# Altium PCB PCB.PcbDoc (part 1 of 2) (continued)
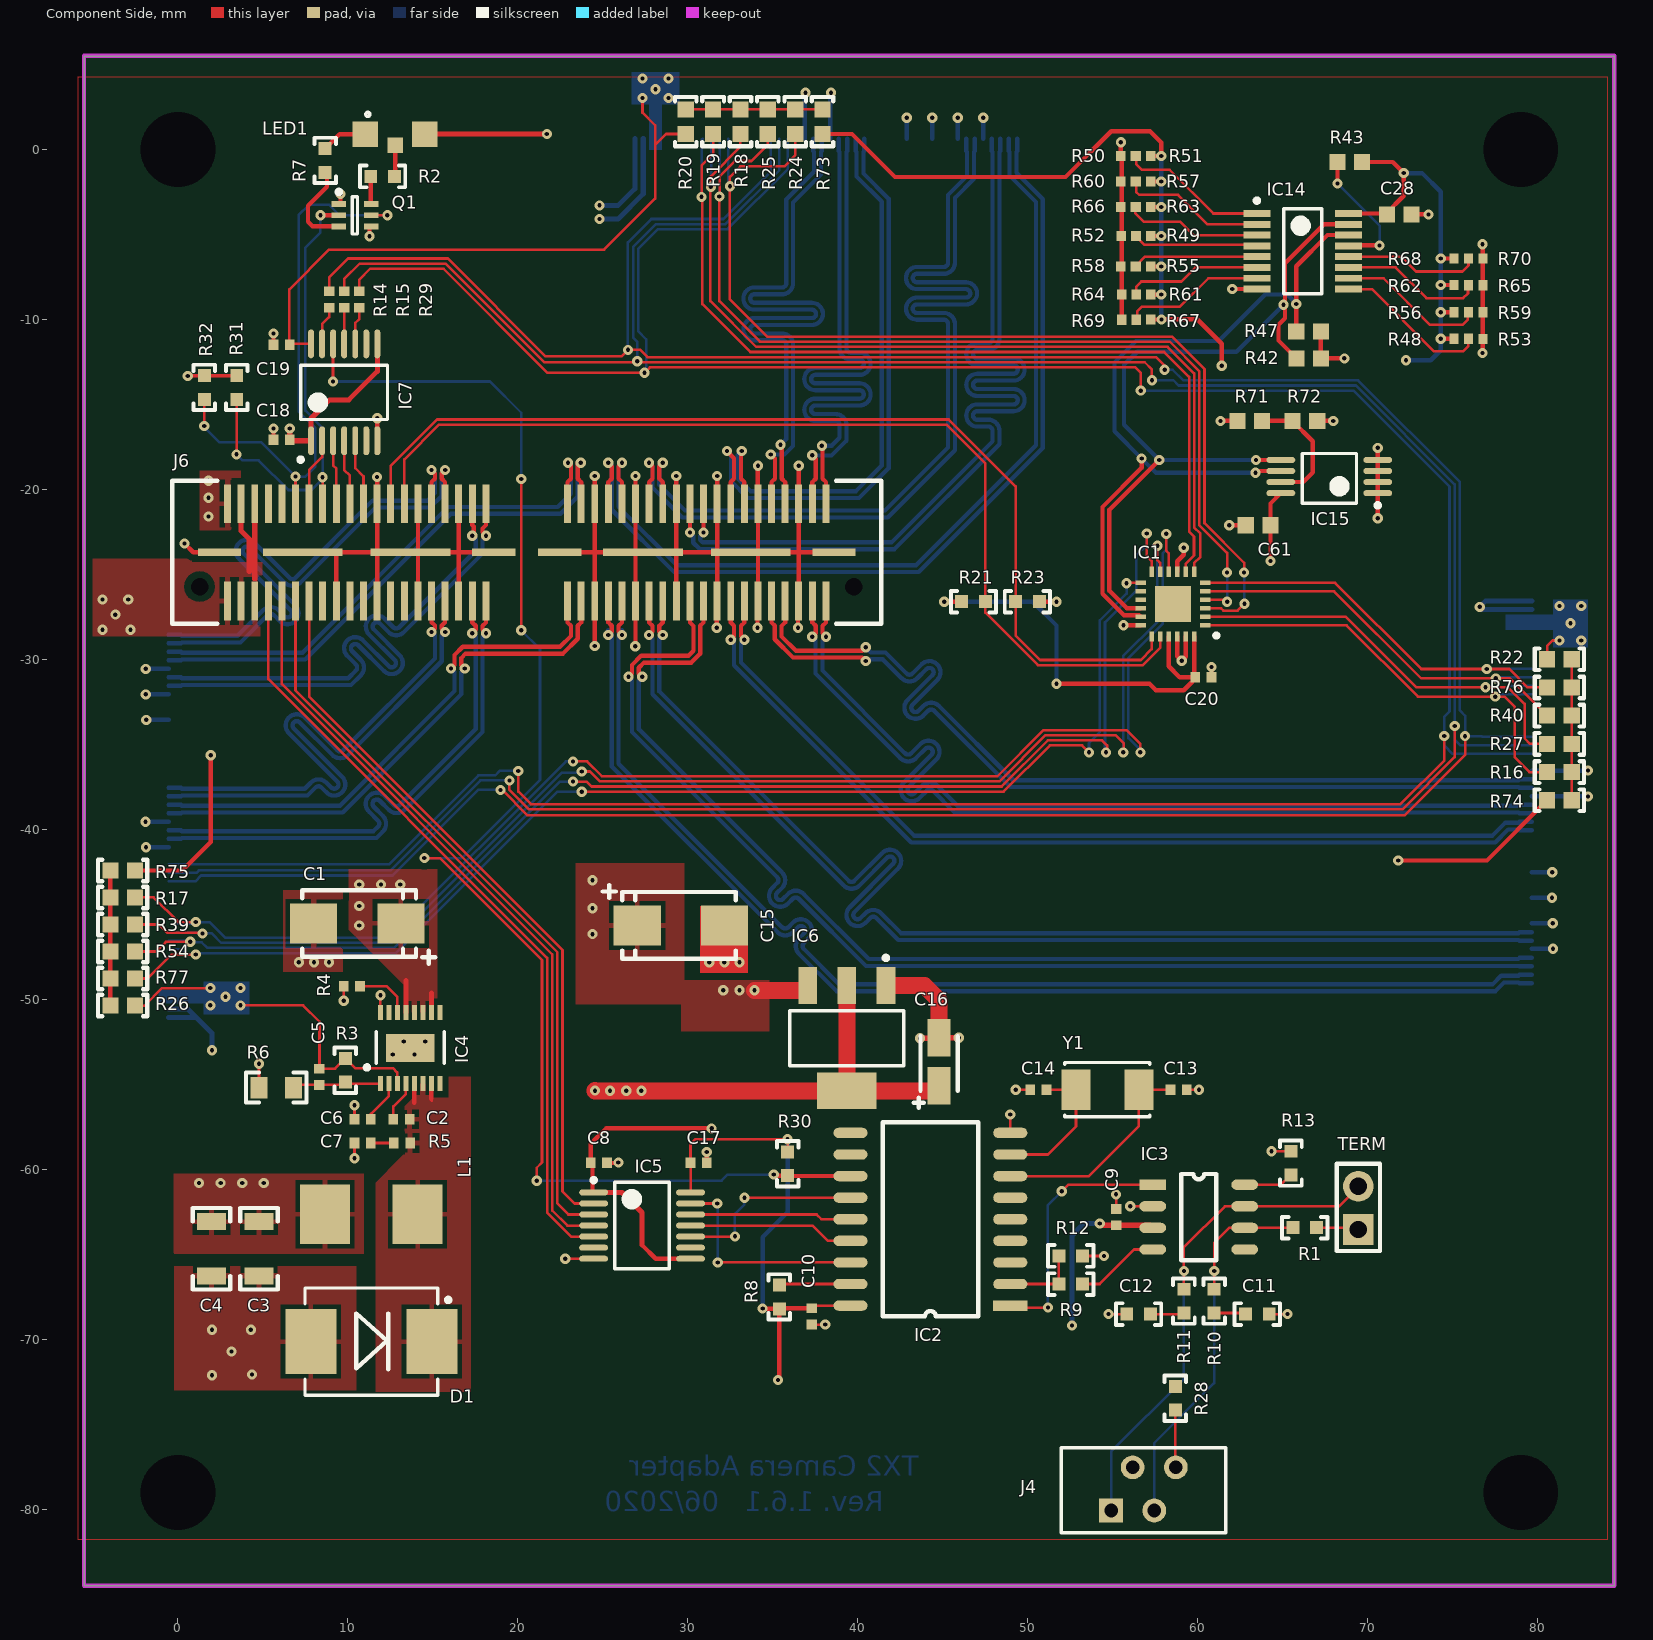
[diagram p0: Component Side view]
## Nets (pads, with @x,y where several pads share a name; then routed paths per layer and width w, separated by ;. In a path a pad name is that pad's centre, name@x,y a point inside that pad or via, vN(x,y) a via of type N, cw(c..) or ccw(c..) an arc to the next point about the centre after c; other vN are vias at no path point) (continued)
  Solder Side w0.152: J1.39@32.375,0.643 32.375,-2.061 v1(32.471,-2.157) ; v1@62.721,-24.907 62.738,-24.924 v1(62.738,-26.724)
CAM2_PWDN_1V8: IC7.2 J6.68 | length 4
  Component Side w0.152: J6.68@7.716,-20.826 7.716,-18.856 8.479,-18.093 IC7.2@8.479,-17.128
CAM2_PWDN_3V3: J1.34 J2.34 J3.34 R14.2 | length 192.8
  Component Side w0.152: R14.2@8.89,-8.337 8.89,-7.522 10.005,-6.407 15.873,-6.407 21.626,-12.16 26.093,-12.16 v1(26.471,-11.782) 27.197,-11.782 27.624,-12.209 57.548,-12.209 58.046,-12.707 v1(58.046,-12.957) ; v1(18.974,-37.671) 18.979,-37.671 19.005,-37.697 19.053,-37.649 20.574,-39.17 72.161,-39.17 75.721,-35.611 v1(75.721,-34.507)
  Solder Side w0.152: J3.34@-0.55,-43.049 1.023,-43.049 1.364,-42.708 12.623,-42.708 17.66,-37.671 v1(18.974,-37.671) ; v1(26.471,-11.782) 26.471,-5.457 27.846,-4.082 32.082,-4.082 34.875,-1.289 J1.34@34.875,0.643 ; v1(58.046,-12.957) 58.523,-12.957 59.144,-13.578 69.419,-13.578 75.41,-19.569 75.41,-32.996 75.721,-33.307 v1(75.721,-34.507) 76.693,-34.507 76.735,-34.549 J2.34@79.643,-34.549
CAM2_SCL: IC1.6 J2.42 R76.1 | length 25.3
  Component Side w0.152: IC1.6@60.436,-25.488 68.081,-25.488 73.15,-30.557 v1(76.996,-30.557) 78.321,-30.557 79.406,-31.642 R76.1@80.546,-31.642
  Solder Side w0.152: v1(76.996,-30.557) 77.004,-30.549 J2.42@79.643,-30.549
CAM2_SDA: IC1.5 J2.41 R40.1 | length 25.4
  Component Side w0.152: IC1.5@60.436,-25.988 68.022,-25.988 73.141,-31.107 v1(77.524,-31.107) 78.351,-31.107 R40.1@80.546,-33.302
  Solder Side w0.152: v1(77.524,-31.107) 77.479,-31.062 77.479,-31.049 J2.41@79.643,-31.049
CAM3_SCL: IC1.8 J1.42 R19.1 | length 56
  Component Side w0.152: v1(30.797,-2.781) v1@30.845,-2.781 ; R19.1@31.481,0.918 31.481,-0.257 30.824,-0.914 30.824,-2.76 v1@30.845,-2.781 ; IC1.8@59.286,-24.838 59.286,-24.367 59.771,-23.882 59.771,-22.762 59.484,-22.475 59.484,-13.371 58.021,-11.907 33.669,-11.907 30.85,-9.089 30.85,-2.786 v1@30.845,-2.781
  Solder Side w0.152: v1(30.797,-2.781) 30.824,-2.754 30.824,0.592 J1.42@30.875,0.643
CAM3_SDA: IC1.7 J1.41 R18.1 | length 55.6
  Component Side w0.152: R18.1@33.091,0.918 33.091,0.168 31.35,-1.573 v1(31.35,-2.186) 31.324,-2.212 31.324,-8.909 34.021,-11.605 58.221,-11.605 59.786,-13.171 59.786,-22.228 60.151,-22.593 60.151,-23.965 59.786,-24.33 IC1.7@59.786,-24.838
  Solder Side w0.152: v1(31.35,-2.186) 31.375,-2.161 J1.41@31.375,0.643
CAM4_SCL: IC1.11 J3.40 R39.1 | length 81.7
  Component Side w0.152: R39.1@-2.529,-45.587 -1.124,-45.587 -0.629,-46.082 1.417,-46.082 v1(1.446,-46.111) ; v1(23.749,-36.588) 24.24,-36.588 24.821,-37.169 48.326,-37.169 51.044,-34.451 55.149,-34.451 55.651,-34.954 v1@55.651,-35.462 ; v1(57.621,-23.307) 57.621,-24.147 57.786,-24.312 IC1.11@57.786,-24.838
  Solder Side w0.152: J3.40@-0.55,-46.049 -0.524,-46.075 1.262,-46.075 1.298,-46.111 v1(1.446,-46.111) 1.991,-46.111 2.546,-46.666 12.57,-46.666 22.582,-36.654 23.682,-36.654 v1(23.749,-36.588) ; v1@23.749,-36.612 23.883,-36.612 v1@23.927,-36.655 ; v1(55.609,-35.462) 55.609,-29.794 57.621,-27.782 v1(57.621,-23.307)
CAM4_SDA: IC1.10 J3.39 R17.1 | length 84.2
  Component Side w0.152: R17.1@-2.529,-43.997 -1.429,-43.997 0.021,-45.448 v1(1.048,-45.448) ; v1(23.241,-35.995) 24.074,-35.995 24.946,-36.867 48.201,-36.867 50.919,-34.149 55.804,-34.149 56.617,-34.962 v1(56.617,-35.462) ; v1(58.146,-22.607) 58.147,-22.608 58.147,-23.525 58.146,-23.526 58.146,-23.607 58.286,-23.747 IC1.10@58.286,-24.838
  Solder Side w0.152: J3.39@-0.129,-45.549 v1@0.947,-45.549 ; v1(1.048,-45.448) 1.855,-45.448 2.771,-46.364 12.445,-46.364 22.814,-35.995 v1(23.241,-35.995) ; v1(56.617,-35.462) 56.617,-35.335 55.911,-34.629 55.911,-29.919 57.923,-27.907 57.923,-23.749 58.147,-23.525 58.147,-22.608 v1(58.146,-22.607)
CAM5_SCL: IC1.13 J3.42 R77.1 | length 75.4
  Component Side w0.152: R77.1@-2.529,-48.767 -1.789,-48.767 -0.381,-47.358 v1(1.046,-47.358) ; v1(23.749,-37.773) 48.576,-37.773 51.294,-35.055 53.188,-35.055 v1(53.594,-35.462) ; v1(55.808,-25.507) 55.827,-25.488 IC1.13@56.636,-25.488
  Solder Side w0.152: J3.42@-0.55,-47.049 0.163,-47.049 0.446,-47.332 1.019,-47.332 v1(1.046,-47.358) 1.134,-47.27 12.82,-47.27 22.317,-37.773 v1(23.749,-37.773) ; v1(53.594,-35.462) 53.594,-34.909 54.236,-34.267 54.236,-27.69 55.808,-26.118 v1(55.808,-25.507)
CAM5_SDA: IC1.12 J3.41 R54.1 | length 81
  Component Side w0.152: R54.1@-2.529,-47.177 -1.274,-47.177 -0.706,-46.608 v1(0.72,-46.608) ; v1(23.241,-37.18) 24.045,-37.18 24.336,-37.471 48.451,-37.471 51.169,-34.753 54.359,-34.753 54.661,-35.055 v1@54.661,-35.462 ; v1(56.996,-22.582) 56.996,-23.907 57.286,-24.197 IC1.12@57.286,-24.838
  Solder Side w0.152: J3.41@-0.55,-46.549 0.661,-46.549 v1(0.72,-46.608) 0.749,-46.637 1.398,-46.637 1.729,-46.968 12.695,-46.968 22.483,-37.18 v1(23.241,-37.18) ; v1(54.602,-35.462) 54.538,-35.398 54.538,-27.815 56.371,-25.982 56.371,-23.882 56.996,-23.257 v1(56.996,-22.582)
CAM_RST_1V8: IC7.4 J6.62 | length 3.8
  Component Side w0.152: IC7.4@9.779,-17.128 9.779,-18.85 10.116,-19.187 J6.62@10.116,-20.826
CAM_RST_3V3: J1.33 J2.33 J3.33 R15.2 | length 193
  Component Side w0.152: R15.2@9.779,-8.337 9.779,-7.623 10.693,-6.709 15.748,-6.709 21.544,-12.505 25.846,-12.505 25.852,-12.511 56.875,-12.511 57.296,-12.932 v1@57.296,-13.482 ; v1(19.5,-37.113) 19.5,-37.669 20.645,-38.814 72.04,-38.814 75.108,-35.746 v1(75.108,-33.912)
  Solder Side w0.152: J3.33@-0.55,-42.549 1.096,-42.549 1.239,-42.406 12.498,-42.406 17.791,-37.113 v1(19.5,-37.113) ; v1(27.021,-12.457) 27.021,-11.307 26.773,-11.059 26.773,-5.728 28.117,-4.384 32.207,-4.384 35.375,-1.216 J1.33@35.375,0.643 ; v1(57.296,-13.569) 58.558,-13.569 58.869,-13.88 69.294,-13.88 75.108,-19.694 v1(75.108,-33.912) 75.108,-34.694 75.463,-35.049 J2.33@79.643,-35.049 ; v1@57.296,-13.482 v1@57.297,-13.483
CAM_SCL_1V8: J6.53
CAM_SDA_1V8: J6.55
CAM_UART_RX_1V8: J6.61
CAM_UART_TX_1V8: J6.59
CANH: IC3.7 J4.1 R11.2 TERM.2 | length 30.3
  Component Side w0.152: R11.2@59.182,-67.046 v1(59.182,-65.967) 59.182,-64.57 61.585,-62.167 IC3.7@62.756,-62.167 68.316,-62.167 TERM.2@69.596,-60.887
  Solder Side w0.152: J4.1@54.895,-80.064 54.895,-76.604 59.182,-72.317 v1(59.182,-65.967)
CANL: IC3.6 J4.3 R1.1 R10.2 | length 23.3
  Component Side w0.152: R10.2@60.96,-67.046 v1(60.96,-65.967) 60.96,-64.316 61.839,-63.437 IC3.6@62.756,-63.437 R1.1@65.585,-63.437
  Solder Side w0.152: J4.3@57.435,-80.064 57.435,-76.096 60.96,-72.571 v1(60.96,-65.967)
CSI0_CLK_N: J2.28 J6.9 | length 55.3
  Component Side w0.25: J6.9@34.919,-26.556 34.919,-27.816 35.109,-28.006 35.109,-28.808 36.185,-29.885 40.262,-29.885 v1(40.462,-30.086)
  Solder Side w0.25: v1(40.462,-30.086) 40.566,-29.982 41.455,-29.982 42.573,-31.1 ccw(c43.034,-30.639) 43.495,-31.1 44.028,-30.567 cw(c44.205,-30.744) 44.382,-30.567 ; 44.382,-30.567 cw(c44.205,-30.744) 44.455,-30.744 cw(c44.205,-30.744) 44.382,-30.92 42.927,-32.376 ccw(c43.388,-32.837) 43.849,-33.298 44.133,-33.014 cw(c44.31,-33.19) 44.486,-33.014 48.973,-37.5 78.869,-37.5 78.918,-37.549 J2.28@79.643,-37.549
CSI0_CLK_P: J2.29 J6.7 | length 54.8
  Component Side w0.25: J6.7@35.719,-26.556 35.719,-27.816 35.511,-28.025 35.511,-28.642 36.352,-29.483 40.262,-29.483 v1(40.462,-29.283)
  Solder Side w0.25: v1(40.462,-29.283) 40.76,-29.58 41.622,-29.58 42.857,-30.816 ccw(c43.034,-30.639) 43.211,-30.816 43.744,-30.283 cw(c44.205,-30.744) 44.857,-30.744 cw(c44.205,-30.744) 44.666,-31.205 43.211,-32.66 ccw(c43.388,-32.837) 43.21,-33.013 ccw(c43.388,-32.837) 43.564,-33.014 43.849,-32.729 cw(c44.31,-33.19) 44.771,-32.729 49.14,-37.098 78.869,-37.098 78.918,-37.049 J2.29@79.643,-37.049
CSI0_D0_N: J2.25 J6.3 | length 55.3
  Component Side w0.25: v1(37.317,-28.654) 37.518,-28.454 37.518,-28.015 37.319,-27.816 J6.3@37.319,-26.556
  Solder Side w0.25: v1(37.317,-28.654) 37.509,-28.846 37.509,-30.816 42.496,-35.803 ccw(c42.957,-35.342) 43.418,-35.803 43.973,-35.248 cw(c44.15,-35.425) 44.326,-35.248 cw(c44.15,-35.425) 44.4,-35.425 cw(c44.15,-35.425) 44.326,-35.602 42.707,-37.221 ccw(c43.168,-37.682) 43.629,-38.144 44.056,-37.717 cw(c44.233,-37.893) 44.409,-37.717 45.693,-39 78.869,-39 78.918,-39.049 J2.25@79.643,-39.049
CSI0_D0_P: J2.26 J6.1 | length 54.6
  Component Side w0.25: J6.1@38.119,-26.556 38.119,-27.816 37.92,-28.015 37.92,-28.454 v1(38.121,-28.654)
  Solder Side w0.25: v1(38.121,-28.654) 37.911,-28.864 37.911,-30.649 42.78,-35.519 ccw(c42.957,-35.342) 43.134,-35.519 43.689,-34.964 cw(c44.15,-35.425) 44.802,-35.425 cw(c44.15,-35.425) 44.611,-35.886 42.991,-37.506 ccw(c43.168,-37.682) 42.991,-37.859 ccw(c43.168,-37.682) 43.345,-37.859 43.772,-37.432 cw(c44.233,-37.893) 44.694,-37.432 45.859,-38.598 78.869,-38.598 78.918,-38.549 J2.26@79.643,-38.549
CSI0_D1_N: J2.23 J6.15 | length 55.6
  Component Side w0.25: v1(32.517,-28.832) 32.718,-28.632 32.718,-28.015 32.519,-27.816 J6.15@32.519,-26.556
  Solder Side w0.25: v1@32.744,-28.749 32.744,-28.841 32.718,-28.866 32.718,-30.34 43.142,-40.764 77.491,-40.764 78.255,-40 78.869,-40 78.918,-40.049 J2.23@79.643,-40.049
CSI0_D1_P: J2.24 J6.13 | length 54.9
  Component Side w0.25: J6.13@33.319,-26.556 33.319,-27.816 33.12,-28.015 33.12,-28.632 v1(33.321,-28.832)
  Solder Side w0.25: v1(33.321,-28.832) 33.12,-29.033 33.12,-30.173 43.309,-40.362 77.324,-40.362 78.088,-39.598 78.869,-39.598 78.918,-39.549 J2.24@79.643,-39.549
CSI1_CLK_N: J1.28 J6.10 | length 35.4
  Component Side w0.25: v1(34.874,-17.936) 35.118,-18.179 35.118,-19.366 34.919,-19.565 J6.10@34.919,-20.826
  Solder Side w0.25: v1(34.874,-17.936) 34.883,-17.945 35.681,-17.945 36.186,-17.44 36.186,-17.026 36.186,-11.469 ccw(c35.534,-11.469) 35.534,-10.817 33.917,-10.817 cw(c33.917,-10.567) 33.667,-10.567 cw(c33.917,-10.567) 33.917,-10.317 37.29,-10.317 ccw(c37.29,-9.665) 37.942,-9.665 ccw(c37.29,-9.665) 37.29,-9.013 33.917,-9.013 cw(c33.917,-8.763) 33.667,-8.763 cw(c33.917,-8.763) 33.917,-8.513 35.534,-8.513 ccw(c35.534,-7.861) 36.186,-7.861 36.186,-3.108 37.826,-1.468 37.826,-0.131 37.875,-0.082 J1.28@37.875,0.643
CSI1_CLK_P: J1.29 J6.8 | length 34.5
  Component Side w0.25: v1(35.442,-17.368) 35.52,-17.445 35.52,-19.366 35.719,-19.565 J6.8@35.719,-20.826
  Solder Side w0.25: v1(35.442,-17.368) 35.784,-17.026 35.784,-11.469 ccw(c35.534,-11.469) 35.534,-11.219 33.917,-11.219 cw(c33.917,-10.567) 33.265,-10.567 cw(c33.917,-10.567) 33.917,-9.915 37.29,-9.915 ccw(c37.29,-9.665) 37.54,-9.665 ccw(c37.29,-9.665) 37.29,-9.415 33.917,-9.415 cw(c33.917,-8.763) 33.265,-8.763 cw(c33.917,-8.763) 33.917,-8.111 35.534,-8.111 ccw(c35.534,-7.861) 35.784,-7.861 35.784,-2.941 37.424,-1.301 37.424,-0.131 37.375,-0.082 J1.29@37.375,0.643
CSI1_D0_N: J1.25 J6.4 | length 35.2
  Component Side w0.25: v1(37.313,-17.986) 37.518,-18.192 37.518,-19.366 37.319,-19.565 J6.4@37.319,-20.826
  Solder Side w0.25: v1(37.313,-17.986) 37.322,-17.995 38.454,-17.995 39.326,-17.124 39.326,-16.208 ccw(c38.674,-16.208) 38.674,-15.556 37.497,-15.556 cw(c37.497,-15.306) 37.247,-15.306 cw(c37.497,-15.306) 37.497,-15.056 40.095,-15.056 ccw(c40.095,-14.404) 40.747,-14.404 ccw(c40.095,-14.404) 40.095,-13.752 37.497,-13.752 cw(c37.497,-13.502) 37.247,-13.502 cw(c37.497,-13.502) 37.497,-13.252 40.095,-13.252 ccw(c40.095,-12.6) 40.747,-12.6 ccw(c40.095,-12.6) 40.095,-11.948 39.576,-11.948 cw(c39.576,-11.698) 39.326,-11.698 39.326,-0.131 39.375,-0.082 J1.25@39.375,0.643
CSI1_D0_P: J1.26 J6.2 | length 34.4
  Component Side w0.25: v1(37.881,-17.418) 37.92,-17.458 37.92,-19.366 38.119,-19.565 J6.2@38.119,-20.826
  Solder Side w0.25: v1(37.881,-17.418) 38.463,-17.418 38.924,-16.957 38.924,-16.208 ccw(c38.674,-16.208) 38.674,-15.958 37.497,-15.958 cw(c37.497,-15.306) 36.845,-15.306 cw(c37.497,-15.306) 37.497,-14.654 40.095,-14.654 ccw(c40.095,-14.404) 40.345,-14.404 ccw(c40.095,-14.404) 40.095,-14.154 37.497,-14.154 cw(c37.497,-13.502) 36.845,-13.502 cw(c37.497,-13.502) 37.497,-12.85 40.095,-12.85 ccw(c40.095,-12.6) 40.345,-12.6 ccw(c40.095,-12.6) 40.095,-12.35 39.576,-12.35 cw(c39.576,-11.698) 38.924,-11.698 38.924,-0.131 38.875,-0.082 J1.26@38.875,0.643
CSI1_D1_N: J1.23 J6.16 | length 35.7
  Component Side w0.25: v1(32.295,-17.732) 32.718,-18.156 32.718,-19.366 32.519,-19.565 J6.16@32.519,-20.826
  Solder Side w0.25: v1(32.295,-17.732) 32.532,-17.97 32.532,-19.507 33.522,-20.497 40.06,-20.497 41.808,-18.749 41.808,-2.892 40.326,-1.41 40.326,-0.131 40.375,-0.082 J1.23@40.375,0.643
CSI1_D1_P: J1.24 J6.14 | length 34.2
  Component Side w0.25: v1(33.172,-17.732) 33.12,-17.785 33.12,-19.366 33.319,-19.565 J6.14@33.319,-20.826
  Solder Side w0.25: v1(33.172,-17.732) 32.934,-17.97 32.934,-19.34 33.689,-20.095 39.893,-20.095 41.406,-18.582 41.406,-3.064 39.924,-1.582 39.924,-0.131 39.875,-0.082 J1.24@39.875,0.643
CSI2_CLK_N: J2.10 J6.27 | length 71.3
  Component Side w0.25: v1(27.717,-28.553) 27.918,-28.352 27.918,-28.015 27.719,-27.816 J6.27@27.719,-26.556
  Solder Side w0.25: v1(27.717,-28.553) 27.918,-28.753 27.918,-32.046 39.166,-43.294 ccw(c39.627,-42.833) 40.088,-43.294 41.718,-41.664 cw(c41.895,-41.841) 42.072,-41.664 cw(c41.895,-41.841) 42.145,-41.841 cw(c41.895,-41.841) 42.072,-42.018 39.519,-44.57 ccw(c39.98,-45.031) 40.441,-45.492 40.726,-45.208 cw(c40.902,-45.385) 41.079,-45.208 42.371,-46.5 78.869,-46.5 78.918,-46.549 J2.10@79.643,-46.549
CSI2_CLK_P: J2.11 J6.25 | length 70.7
  Component Side w0.25: J6.25@28.519,-26.556 28.519,-27.816 28.32,-28.015 28.32,-28.352 v1(28.521,-28.553)
  Solder Side w0.25: v1(28.521,-28.553) 28.32,-28.753 28.32,-31.88 39.45,-43.01 ccw(c39.627,-42.833) 39.804,-43.01 41.434,-41.38 cw(c41.895,-41.841) 42.547,-41.841 cw(c41.895,-41.841) 42.356,-42.302 39.804,-44.854 ccw(c39.98,-45.031) 39.803,-45.207 ccw(c39.98,-45.031) 40.157,-45.208 40.441,-44.923 cw(c40.902,-45.385) 41.363,-44.923 42.538,-46.098 78.869,-46.098 78.918,-46.049 J2.11@79.643,-46.049
CSI2_D0_N: J2.7 J6.21 | length 71.6
  Component Side w0.25: v1(26.509,-31.017) 26.709,-30.816 26.709,-30.321 27.25,-29.781 30.033,-29.781 30.327,-29.487 30.327,-28.025 30.119,-27.816 J6.21@30.119,-26.556
  Solder Side w0.25: v1(26.509,-31.017) 26.709,-31.217 26.709,-34.261 35.248,-42.8 cw(c35.071,-42.977) 35.321,-42.977 cw(c35.071,-42.977) 35.248,-43.153 34.964,-43.438 ccw(c35.425,-43.899) 35.886,-44.36 36.17,-44.075 cw(c36.347,-44.252) 36.523,-44.075 40.472,-48.024 78.893,-48.024 78.918,-48.049 J2.7@79.643,-48.049
CSI2_D0_P: J2.8 J6.19 | length 70.9
  Component Side w0.25: v1(27.312,-31.017) 27.111,-30.816 27.111,-30.488 27.416,-30.183 30.2,-30.183 30.729,-29.653 30.729,-28.006 30.919,-27.816 J6.19@30.919,-26.556
  Solder Side w0.25: v1(27.312,-31.017) 27.111,-31.217 27.111,-34.095 35.532,-42.516 cw(c35.071,-42.977) 35.723,-42.977 cw(c35.071,-42.977) 35.532,-43.438 35.248,-43.722 ccw(c35.425,-43.899) 35.247,-44.075 ; 35.248,-44.075 ccw(c35.425,-43.899) 35.601,-44.076 35.886,-43.791 cw(c36.347,-44.252) 36.808,-43.791 40.639,-47.622 78.845,-47.622 78.918,-47.549 J2.8@79.643,-47.549
CSI2_D1_N: J2.5 J6.33 | length 72
  Component Side w0.25: v1(25.317,-28.553) 25.518,-28.352 25.518,-28.015 25.319,-27.816 J6.33@25.319,-26.556
  Solder Side w0.25: v1@25.317,-28.258 25.518,-28.459 25.518,-36.294 ; 25.506,-36.294 25.518,-36.294 ; 36.823,-45.755 cw(c36.646,-45.931) 36.896,-45.931 cw(c36.646,-45.931) 36.823,-46.108 36.539,-46.392 ccw(c37,-46.853) 36.539,-47.315 38.734,-49.51 77.504,-49.51 78.014,-49 78.869,-49 78.918,-49.049 J2.5@79.643,-49.049 ; 36.822,-45.754 ccw(c36.646,-45.931) 36.469,-45.755 36.185,-46.039 cw(c35.724,-45.578) 35.263,-46.039 25.518,-36.294
CSI2_D1_P: J2.6 J6.31 | length 71.3
  Component Side w0.25: J6.31@26.119,-26.556 26.119,-27.816 25.92,-28.015 25.92,-28.352 v1(26.121,-28.553)
  Solder Side w0.25: v1@26.121,-28.258 25.92,-28.459 25.92,-36.127 35.547,-45.755 ccw(c35.724,-45.578) 35.901,-45.755 36.185,-45.47 cw(c36.646,-45.931) 37.298,-45.931 cw(c36.646,-45.931) 37.107,-46.392 36.823,-46.677 ccw(c37,-46.853) 36.823,-47.03 38.901,-49.108 77.337,-49.108 77.847,-48.598 78.869,-48.598 78.918,-48.549 J2.6@79.643,-48.549
CSI3_CLK_N: J1.10 J6.28 | length 54
  Component Side w0.25: v1(27.717,-18.427) 27.918,-18.627 27.918,-19.366 27.719,-19.565 J6.28@27.719,-20.826
  Solder Side w0.25: v1(27.717,-18.427) 27.918,-18.627 27.918,-19.89 29.667,-21.639 41.758,-21.639 45.706,-17.691 45.706,-10.263 ccw(c45.054,-10.263) 45.054,-9.611 43.48,-9.611 cw(c43.48,-9.361) 43.23,-9.361 cw(c43.48,-9.361) 43.48,-9.111 46.358,-9.111 ccw(c46.358,-8.459) 47.01,-8.459 ccw(c46.358,-8.459) 46.358,-7.807 43.48,-7.807 cw(c43.48,-7.557) 43.23,-7.557 cw(c43.48,-7.557) 43.48,-7.307 45.054,-7.307 ccw(c45.054,-6.655) 45.706,-6.655 45.706,-2.839 46.826,-1.719 46.826,-0.131 46.875,-0.082 J1.10@46.875,0.643
CSI3_CLK_P: J1.11 J6.26 | length 52.7
  Component Side w0.25: J6.26@28.519,-20.826 28.519,-19.565 28.32,-19.366 28.32,-18.627 v1(28.52,-18.427)
  Solder Side w0.25: v1(28.52,-18.427) 28.32,-18.627 28.32,-19.723 29.834,-21.237 41.591,-21.237 45.304,-17.524 45.304,-10.263 ccw(c45.054,-10.263) 45.054,-10.013 43.48,-10.013 cw(c43.48,-9.361) 42.828,-9.361 cw(c43.48,-9.361) 43.48,-8.709 46.358,-8.709 ccw(c46.358,-8.459) 46.608,-8.459 ccw(c46.358,-8.459) 46.358,-8.209 43.48,-8.209 cw(c43.48,-7.557) 42.828,-7.557 cw(c43.48,-7.557) 43.48,-6.905 45.054,-6.905 ccw(c45.054,-6.655) 45.304,-6.655 45.304,-2.672 46.424,-1.552 46.424,-0.131 46.375,-0.082 J1.11@46.375,0.643
CSI3_D0_N: J1.7 J6.22 | length 54
  Component Side w0.25: v1(30.117,-22.533) 30.119,-22.531 J6.22@30.119,-20.826
  Solder Side w0.25: v1(30.117,-22.533) 30.318,-22.734 30.318,-23.127 30.699,-23.508 42.15,-23.508 48.326,-17.332 48.326,-16.544 ccw(c47.674,-16.544) 47.674,-15.892 47.025,-15.892 cw(c47.025,-15.642) 46.775,-15.642 cw(c47.025,-15.642) 47.025,-15.392 49.156,-15.392 ccw(c49.156,-14.74) 49.808,-14.74 ccw(c49.156,-14.74) 49.156,-14.088 47.025,-14.088 cw(c47.025,-13.838) 46.775,-13.838 cw(c47.025,-13.838) 47.025,-13.588 49.156,-13.588 ccw(c49.156,-12.936) 49.808,-12.936 ccw(c49.156,-12.936) 49.156,-12.284 47.025,-12.284 cw(c47.025,-12.034) 46.775,-12.034 cw(c47.025,-12.034) 47.025,-11.784 47.674,-11.784 ccw(c47.674,-11.132) 48.326,-11.132 48.326,-0.131 48.375,-0.082 J1.7@48.375,0.643
CSI3_D0_P: J1.8 J6.20 | length 52.7
  Component Side w0.25: J6.20@30.919,-20.826 30.919,-22.531 v1(30.921,-22.533)
  Solder Side w0.25: v1(30.921,-22.533) 30.72,-22.734 30.72,-22.96 30.866,-23.106 41.983,-23.106 47.924,-17.165 47.924,-16.544 ccw(c47.674,-16.544) 47.674,-16.294 47.025,-16.294 cw(c47.025,-15.642) 46.373,-15.642 cw(c47.025,-15.642) 47.025,-14.99 49.156,-14.99 ccw(c49.156,-14.74) 49.406,-14.74 ccw(c49.156,-14.74) 49.156,-14.49 47.025,-14.49 cw(c47.025,-13.838) 46.373,-13.838 cw(c47.025,-13.838) 47.025,-13.186 49.156,-13.186 ccw(c49.156,-12.936) 49.406,-12.936 ccw(c49.156,-12.936) 49.156,-12.686 47.025,-12.686 cw(c47.025,-12.034) 46.373,-12.034 cw(c47.025,-12.034) 47.025,-11.382 47.674,-11.382 ccw(c47.674,-11.132) 47.924,-11.132 47.924,-0.131 47.875,-0.082 J1.8@47.875,0.643
CSI3_D1_N: J1.5 J6.34 | length 54.2
  Component Side w0.25: v1(25.317,-18.427) 25.518,-18.627 25.518,-19.366 25.319,-19.565 J6.34@25.319,-20.826
  Solder Side w0.25: v1(25.317,-18.427) 25.518,-18.627 25.518,-21.185 29.185,-24.852 43.582,-24.852 50.877,-17.557 50.877,-2.915 49.326,-1.364 49.326,-0.131 49.375,-0.082 J1.5@49.375,0.643